# KiCad board Motherboard.kicad_pcb (continued)
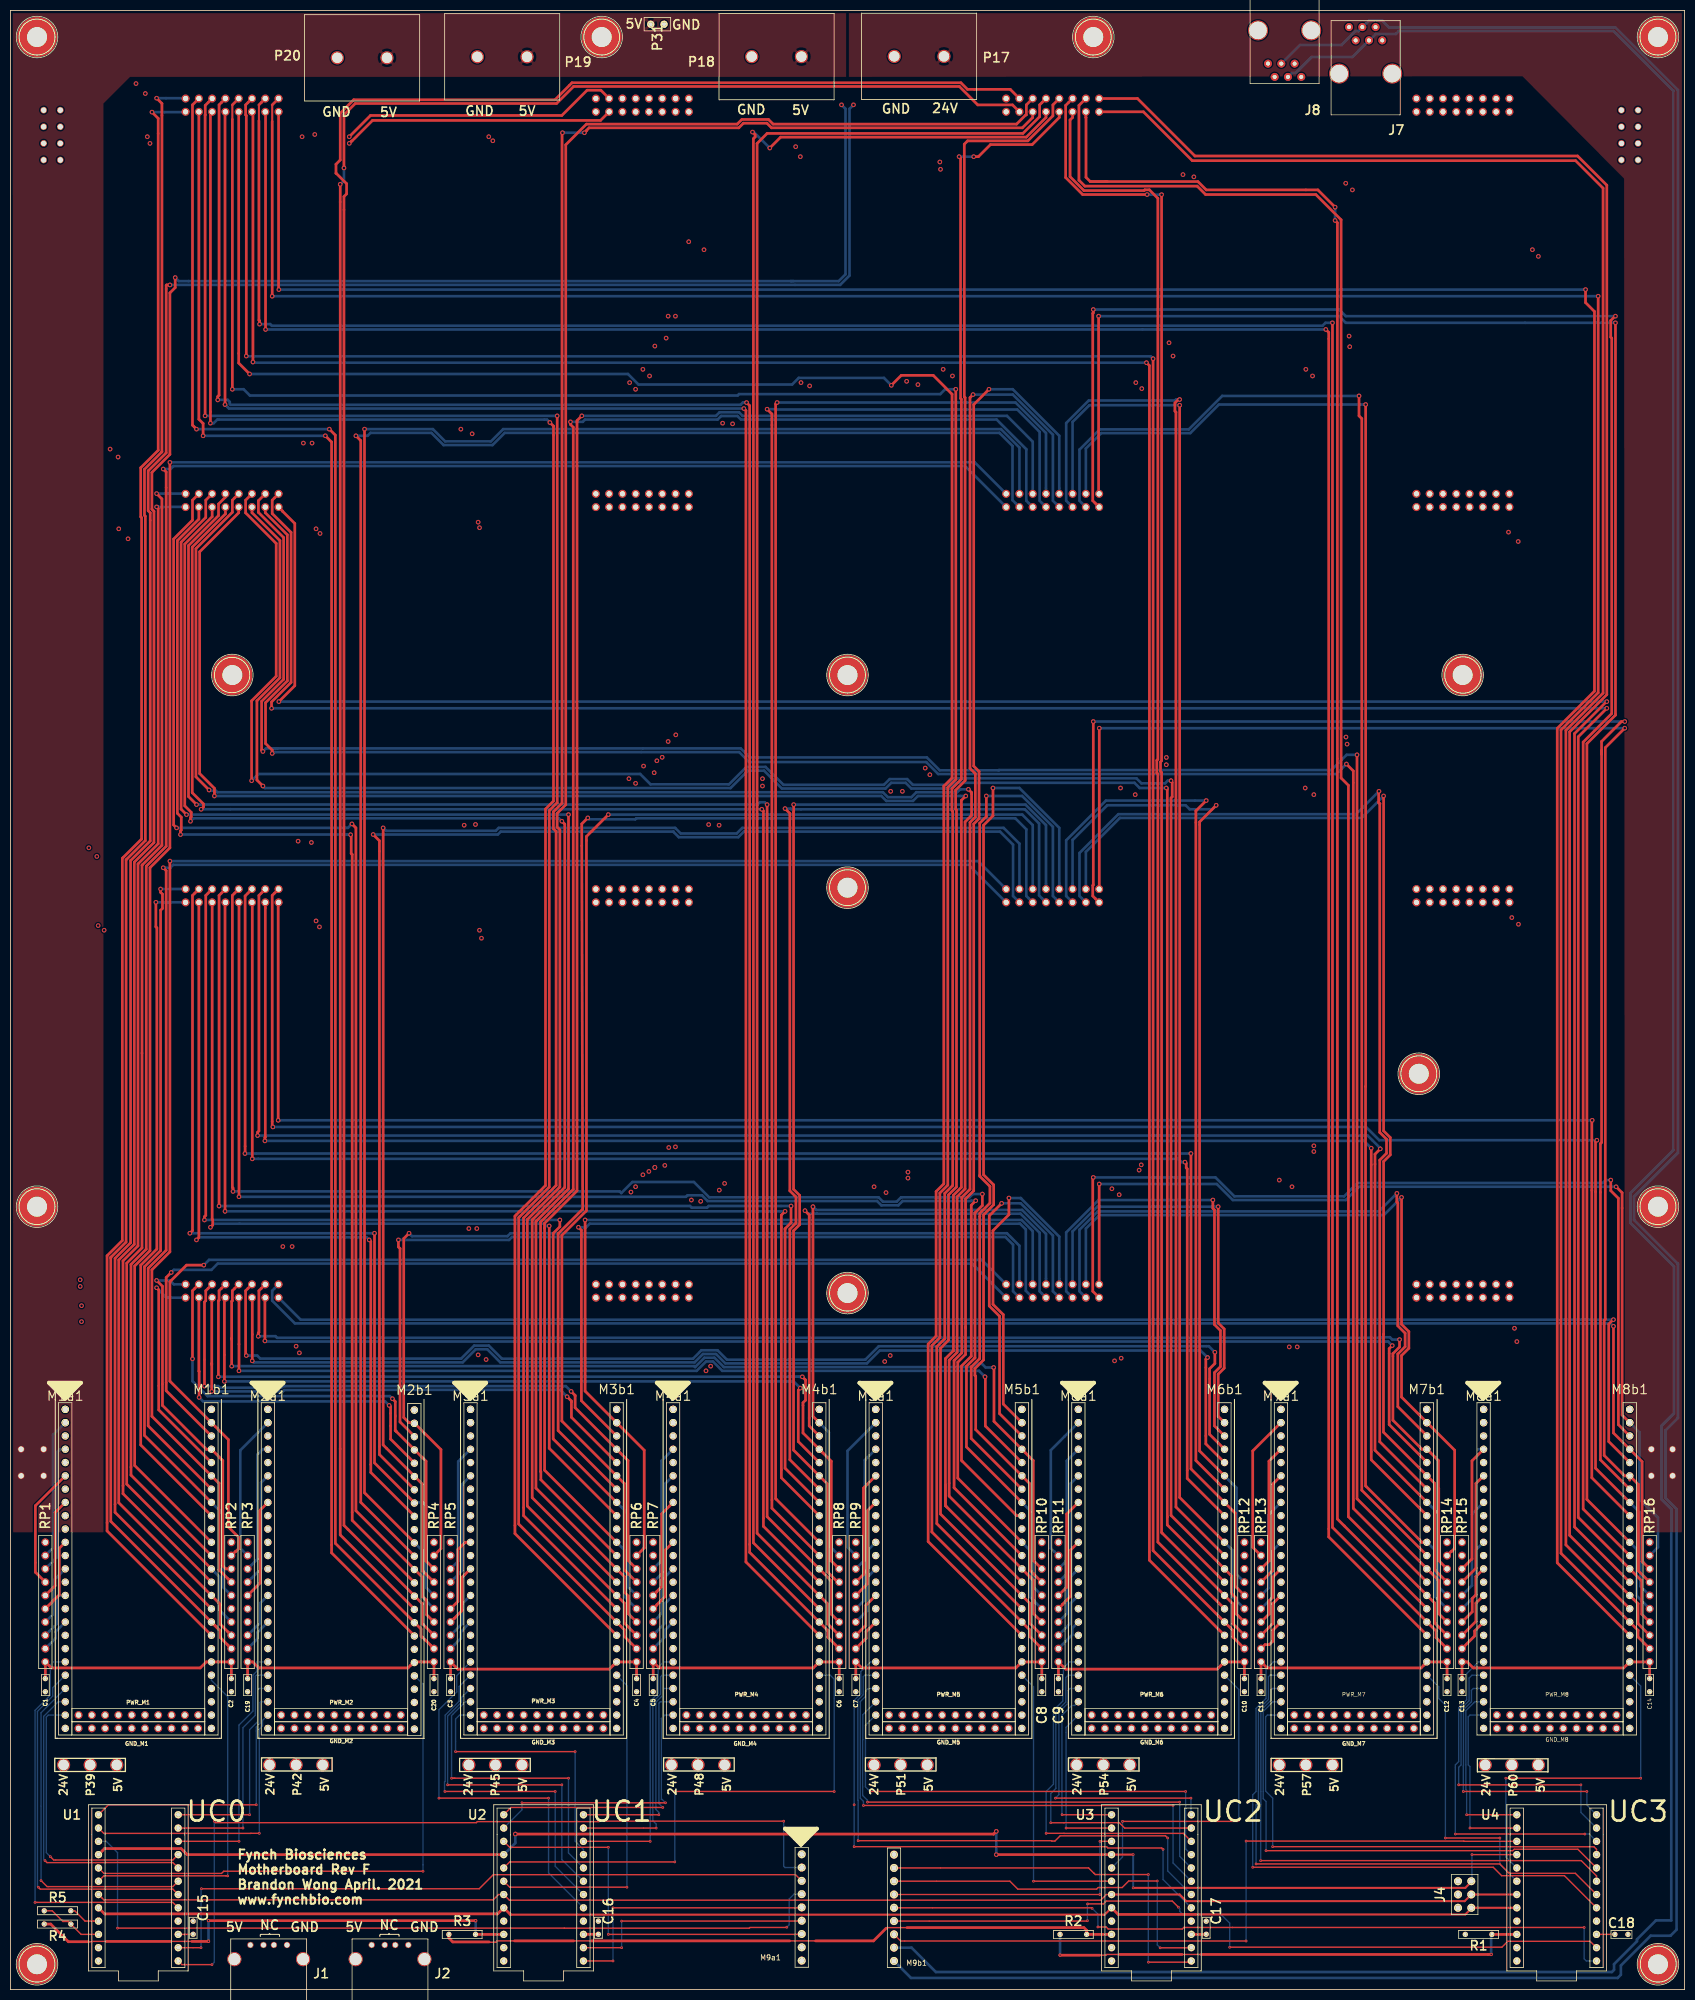
[diagram p0: board, top side]
## Nets (continued)
/PD+15: M6a1.35 P15.5
/PD+16: M6b1.36 P16.5
/PD-01: M6a1.3 P1.6 RP11.9
/PD-02: M6b1.4 P2.6 RP12.9
/PD-03: M6a1.7 P3.6 RP11.8
/PD-04: M6b1.8 P4.6 RP12.8
/PD-05: M6a1.11 P5.6 RP11.7
/PD-06: M6b1.12 P6.6 RP12.7
/PD-07: M6a1.15 P7.6 RP11.6
/PD-08: M6b1.16 P8.6 RP12.6
/PD-09: M6a1.21 P9.6 RP11.5
/PD-10: M6b1.22 P10.6 RP12.5
/PD-11: M6a1.25 P11.6 RP11.4
/PD-12: M6b1.26 P12.6 RP12.4
/PD-13: M6a1.29 P13.6 RP11.3
/PD-14: M6b1.30 P14.6 RP12.3
/PD-15: M6a1.33 P15.6 RP11.2
/PD-16: M6b1.34 P16.6 RP12.2
/power/JP1: P39.1 PWR_M1.1 PWR_M1.2 PWR_M1.3 PWR_M1.4 PWR_M1.5 PWR_M1.6 PWR_M1.7 PWR_M1.8 PWR_M1.9 PWR_M1.10
/power/JP2: P42.1 PWR_M2.1 PWR_M2.2 PWR_M2.3 PWR_M2.4 PWR_M2.5 PWR_M2.6 PWR_M2.7 PWR_M2.8 PWR_M2.9 PWR_M2.10
/power/JP3: P45.1 PWR_M3.1 PWR_M3.2 PWR_M3.3 PWR_M3.4 PWR_M3.5 PWR_M3.6 PWR_M3.7 PWR_M3.8 PWR_M3.9 PWR_M3.10
/power/JP4: P48.1 PWR_M4.1 PWR_M4.2 PWR_M4.3 PWR_M4.4 PWR_M4.5 PWR_M4.6 PWR_M4.7 PWR_M4.8 PWR_M4.9 PWR_M4.10
/power/JP5: P51.1 PWR_M5.1 PWR_M5.2 PWR_M5.3 PWR_M5.4 PWR_M5.5 PWR_M5.6 PWR_M5.7 PWR_M5.8 PWR_M5.9 PWR_M5.10
/power/JP6: P54.1 PWR_M6.1 PWR_M6.2 PWR_M6.3 PWR_M6.4 PWR_M6.5 PWR_M6.6 PWR_M6.7 PWR_M6.8 PWR_M6.9 PWR_M6.10
/power/JP7: P57.1 PWR_M7.1 PWR_M7.2 PWR_M7.3 PWR_M7.4 PWR_M7.5 PWR_M7.6 PWR_M7.7 PWR_M7.8 PWR_M7.9 PWR_M7.10
/power/JP8: P60.1 PWR_M8.1 PWR_M8.2 PWR_M8.3 PWR_M8.4 PWR_M8.5 PWR_M8.6 PWR_M8.7 PWR_M8.8 PWR_M8.9 PWR_M8.10
/SPA+01: M8a1.5 P1.1
/SPA+02: M8b1.6 P2.1
/SPA+03: M8a1.9 P3.1
/SPA+04: M8b1.10 P4.1
/SPA+05: M8a1.13 P5.1
/SPA+06: M8b1.14 P6.1
/SPA+07: M8a1.17 P7.1
/SPA+08: M8b1.18 P8.1
/SPA+09: M8a1.23 P9.1
/SPA+10: M8b1.24 P10.1
/SPA+11: M8a1.27 P11.1
/SPA+12: M8b1.28 P12.1
/SPA+13: M8a1.31 P13.1
/SPA+14: M8b1.32 P14.1
/SPA+15: M8a1.35 P15.1
/SPA+16: M8b1.36 P16.1
/SPA-01: M8a1.3 P1.2 RP15.9
/SPA-02: M8b1.4 P2.2 RP16.9
/SPA-03: M8a1.7 P3.2 RP15.8
/SPA-04: M8b1.8 P4.2 RP16.8
/SPA-05: M8a1.11 P5.2 RP15.7
/SPA-06: M8b1.12 P6.2 RP16.7
/SPA-07: M8a1.15 P7.2 RP15.6
/SPA-08: M8b1.16 P8.2 RP16.6
/SPA-09: M8a1.21 P9.2 RP15.5
/SPA-10: M8b1.22 P10.2 RP16.5
/SPA-11: M8a1.25 P11.2 RP15.4
/SPA-12: M8b1.26 P12.2 RP16.4
/SPA-13: M8a1.29 P13.2 RP15.3
/SPA-14: M8b1.30 P14.2 RP16.3
/SPA-15: M8a1.33 P15.2 RP15.2
/SPA-16: M8b1.34 P16.2 RP16.2
/SPB+01: M7a1.5 P1.3
/SPB+02: M7b1.6 P2.3
/SPB+03: M7a1.9 P3.3
/SPB+04: M7b1.10 P4.3
/SPB+05: M7a1.13 P5.3
/SPB+06: M7b1.14 P6.3
/SPB+07: M7a1.17 P7.3
/SPB+08: M7b1.18 P8.3
/SPB+09: M7a1.23 P9.3
/SPB+10: M7b1.24 P10.3
/SPB+11: M7a1.27 P11.3
/SPB+12: M7b1.28 P12.3
/SPB+13: M7a1.31 P13.3
/SPB+14: M7b1.32 P14.3
/SPB+15: M7a1.35 P15.3
/SPB+16: M7b1.36 P16.3
/SPB-01: M7a1.3 P1.4 RP13.9
/SPB-02: M7b1.4 P2.4 RP14.9
/SPB-03: M7a1.7 P3.4 RP13.8
/SPB-04: M7b1.8 P4.4 RP14.8
/SPB-05: M7a1.11 P5.4 RP13.7
/SPB-06: M7b1.12 P6.4 RP14.7
/SPB-07: M7a1.15 P7.4 RP13.6
/SPB-08: M7b1.16 P8.4 RP14.6
/SPB-09: M7a1.21 P9.4 RP13.5
/SPB-10: M7b1.22 P10.4 RP14.5
/SPB-11: M7a1.25 P11.4 RP13.4
/SPB-12: M7b1.26 P12.4 RP14.4
/SPB-13: M7a1.29 P13.4 RP13.3
/SPB-14: M7b1.30 P14.4 RP14.3
/SPB-15: M7a1.33 P15.4 RP13.2
/SPB-16: M7b1.34 P16.4 RP14.2
/TS+01: M4a1.5 P1.9
/TS+02: M4b1.6 P2.9
/TS+03: M4a1.9 P3.9
/TS+04: M4b1.10 P4.9
/TS+05: M4a1.13 P5.9
/TS+06: M4b1.14 P6.9
/TS+07: M4a1.17 P7.9
/TS+08: M4b1.18 P8.9
/TS+09: M4a1.23 P9.9
/TS+10: M4b1.24 P10.9
/TS+11: M4a1.27 P11.9
/TS+12: M4b1.28 P12.9
/TS+13: M4a1.31 P13.9
/TS+14: M4b1.32 P14.9
/TS+15: M4a1.35 P15.9
/TS+16: M4b1.36 P16.9
/TS-01: M4a1.3 P1.10 RP7.9
/TS-02: M4b1.4 P2.10 RP8.9
/TS-03: M4a1.7 P3.10 RP7.8
/TS-04: M4b1.8 P4.10 RP8.8
/TS-05: M4a1.11 P5.10 RP7.7
/TS-06: M4b1.12 P6.10 RP8.7
/TS-07: M4a1.15 P7.10 RP7.6
/TS-08: M4b1.16 P8.10 RP8.6
/TS-09: M4a1.21 P9.10 RP7.5
/TS-10: M4b1.22 P10.10 RP8.5
/TS-11: M4a1.25 P11.10 RP7.4
/TS-12: M4b1.26 P12.10 RP8.4
/TS-13: M4a1.29 P13.10 RP7.3
/TS-14: M4b1.30 P14.10 RP8.3
/TS-15: M4a1.33 P15.10 RP7.2
/TS-16: M4b1.34 P16.10 RP8.2
/UC0_A0: M2b1.42 U1.16
/UC0_A1: M1b1.42 U1.14
/UC0_A2: J4.3 U1.12 U2.12 U3.12 U4.12
/UC0_A3: J4.1 U1.10 U2.10 U3.10 U4.10
/UC0_D2: M1a1.39 U1.9
/UC0_D3: M1a1.41 U1.11
/UC0_D4: M1a1.43 U1.13
/UC0_D5: M1a1.45 U1.15
/UC0_D6: M1a1.47 U1.17
/UC0_D7: M2a1.39 U1.19
/UC0_D8: M2a1.41 U1.21
/UC0_D9: M2a1.43 U1.23
/UC0_D10: M2a1.45 U1.24
/UC0_D11: M2a1.47 U1.22
/UC0_D12: M9a1.7 U1.20
/UC0_D13: J4.5 U1.18 U2.18 U3.18 U4.18
/UC0_NRST: C15.1 U1.5
/UC0_R: R4.1 R5.2 U1.6
/UC0_RX: M9a1.5 U1.3
/UC0_TX: M9a1.3 U1.1
/UC1_A0: M4b1.42 U2.16
/UC1_A1: M3b1.42 U2.14
/UC1_D2: M3a1.39 U2.9
/UC1_D3: M3a1.41 U2.11
/UC1_D4: M3a1.43 U2.13
/UC1_D5: M3a1.45 U2.15
/UC1_D6: M3a1.47 U2.17
/UC1_D7: M4a1.39 U2.19
/UC1_D8: M4a1.41 U2.21
/UC1_D9: M4a1.43 U2.23
/UC1_D10: M4a1.45 U2.24
/UC1_D11: M4a1.47 U2.22
/UC1_D12: M9a1.13 U2.20
/UC1_NRST: C16.1 U2.5
/UC1_R: R3.1 R4.2 U2.6
/UC1_RX: M9a1.11 U2.3
/UC1_TX: M9a1.9 U2.1
/UC2_A0: M6b1.42 U3.16
/UC2_A1: M5b1.42 U3.14
/UC2_D2: M5a1.39 U3.9
/UC2_D3: M5a1.41 U3.11
/UC2_D4: M5a1.43 U3.13
/UC2_D5: M5a1.45 U3.15
/UC2_D6: M5a1.47 U3.17
/UC2_D7: M6a1.39 U3.19
/UC2_D8: M6a1.41 U3.21
/UC2_D9: M6a1.43 U3.23
/UC2_D10: M6a1.45 U3.24
/UC2_D11: M6a1.47 U3.22
/UC2_D12: M9b1.8 U3.20
/UC2_NRST: C17.1 U3.5
/UC2_R: R2.1 R3.2 U3.6
/UC2_RX: M9b1.6 U3.3
/UC2_TX: M9b1.4 U3.1
/UC3_A0: M8b1.42 U4.16
/UC3_A1: M7b1.42 U4.14
/UC3_D2: M7a1.39 U4.9
/UC3_D3: M7a1.41 U4.11
/UC3_D4: M7a1.43 U4.13
/UC3_D5: M7a1.45 U4.15
/UC3_D6: M7a1.47 U4.17
/UC3_D7: M8a1.39 U4.19
/UC3_D8: M8a1.41 U4.21
/UC3_D9: M8a1.43 U4.23
/UC3_D10: M8a1.45 U4.24
/UC3_D11: M8a1.47 U4.22
/UC3_D12: M9b1.14 U4.20
/UC3_NRST: C18.1 U4.5
/UC3_R: R1.1 R2.2 U4.6
/UC3_RX: M9b1.12 U4.3
/UC3_TX: M9b1.10 U4.1

Pads without a net: J1 2 3 MECH; J2 2 3 MECH; J7 1 2 5 6 MECH; J8 1 2 5 6 MECH; M1b1 44; M2b1 44; M3b1 44; M4b1 44; M5b1 44; M6b1 44; M7b1 44; M8b1 44; MH1 1; MH2 1; MH3 1; MH4 1; MH5 1; MH6 1; MH7 1; MH8 1; MH9 1; MH10 1; MH11 1; MH12 1; MH15 1; MH16 1; RP1 10; RP2 10; RP3 10; RP4 10; RP5 10; RP6 10; RP7 10; RP8 10; RP9 10; RP10 10; RP11 10; RP12 10; RP13 10; RP14 10; RP15 10; RP16 10; U2 8; U3 8; U4 8

## Via types
v1: diameter 0.508, hole 0.203, Top to Bottom, 98 vias
v2: diameter 0.889, hole 0.508, Top to Bottom, 336 vias
v3: diameter 0.508, hole 0.254, Top to Bottom, 2 vias
v4: diameter 0.635, hole 0.305, Top to Bottom, 5 vias

## Routing (per net, layer and track width the routed paths; a pad name or vN(x,y) marks a point on that pad's centre or on a via; arc(x,y) is an arc through that point)
/Vcc0: length 6.1
  Top w0.254: U1.8 14.26,13.08 12.29,15.05 R5.1
/A: length 595.6
  Bottom w0.508: J8.3 244.99,366.27 245.72,366.27 248.77,369.32 256.54,369.32 258.06,370.84 258.06,370.84 J7.3 ; M9b1.16 172.26,8 176.92,3.35 306.15,3.35 306.56,3.76 306.56,4.85 310.95,9.23 310.95,9.58 314.57,13.21 317.5,13.21 317.5,91.82 315.65,93.68 315.65,107.75 318.01,110.11 318.01,138.18 309.68,146.51 309.68,152.2 317.88,160.4 317.88,362.88 306.5,374.27 265.43,374.27 264.87,373.71 261.03,373.71 259.81,372.49
/B: length 600.8
  Bottom w0.508: M9b1.18 172.16,2.22 307.26,2.22 307.87,2.83 307.87,4.59 313.57,10.29 317.36,10.29 318.52,11.44 318.52,91.82 316.36,93.98 316.36,106.81 318.78,109.23 318.78,138.67 310.39,147.07 310.39,151.51 318.77,159.89 318.77,363 306.79,374.98 263.53,374.98 262.25,376.25 259.74,376.25 258.52,375.03 ; J8.4 246.51,371.6 254.48,371.6 257.14,374.27 257.68,374.27 J7.4
/FAN+01: length 291.4
  In1.Cu w0.508: v2(13.34,134.37) 18.97,140 261,140 P1.15
  In2.Cu w0.508: v2(13.34,134.37) 12.69,133.72 12.69,130.85 12.4,130.56 12.4,129.24 11.68,128.52 11.68,126.86 12.4,126.15 12.4,107.71 M1a1.5
/FAN+02: length 198.2
  Top w0.508: M1b1.6 29.77,114.44 29.77,136.07 v2(30.73,137.03)
  Bottom w0.508: P2.15 183.83,138.73 39.62,138.73 38.42,137.53 31.23,137.53 v2(30.73,137.03)
/FAN+03: length 130.7
  In1.Cu w0.508: v2(13.59,127.63) 14.11,127.11 48.96,127.11 55.83,133.99 110.15,133.99 P3.15
  In2.Cu w0.508: v2(13.59,127.63) 14.01,127.22 14.01,125.16 13.82,124.97 13.82,104.05 M1a1.9
/FAN+04: length 44.1
  Top w0.508: v2(27.94,134.11) 28.35,133.71 28.35,110.78 M1b1.10
  Bottom w0.508: v2(27.94,134.11) 29.83,132.22 P4.15
/FAN+05: length 380.1
  In1.Cu w0.508: v2(16.51,216.53) 17.45,217.47 259.07,217.47 P5.15
  In2.Cu w0.508: v2(16.51,216.53) 15.7,215.72 15.7,100.85 M1a1.13
/FAN+06: length 289.8
  Top w0.508: M1b1.14 26.33,107.72 26.33,137.84 29.77,141.28 29.77,213.82 v2(29.21,214.38)
  Bottom w0.508: v2(29.21,214.38) 30.54,214.38 31.1,214.93 183.17,214.93 P6.15
/FAN+07: length 212.7
  In1.Cu w0.508: P7.15 110.08,209.59 58.45,209.59 52.24,203.38 18.85,203.38 v2(17.91,202.44)
  In2.Cu w0.508: M1a1.17 17.35,97.42 17.35,98.96 17.35,201.88 v2(17.91,202.44)
/FAN+08: length 129.9
  Top w0.508: M1b1.18 24.9,104.06 24.9,138.42 27.99,141.51 27.99,202.9 27.8,203.09 v2(27.8,207.77)
  Bottom w0.508: P8.15 33.46,207.77 v2(27.8,207.77)
/FAN+09: length 467
  In1.Cu w0.508: v2(20.57,292.86) 21.39,293.67 258.41,293.67 P9.15
  In2.Cu w0.508: M1a1.23 19.76,92.21 19.76,292.05 v2(20.57,292.86)
/FAN+10: length 381.6
  Top w0.508: M1b1.24 23.04,98.31 23.04,138.57 25.96,141.49 25.96,214.67 29.77,218.48 29.77,290.02 v2(29.21,290.58)
  Bottom w0.508: v2(29.21,290.58) 30.61,290.58 31.17,291.13 182.51,291.13 P10.15
/FAN+11: length 297.8
  In1.Cu w0.508: P11.15 110.1,285.12 57.27,285.12 50.4,278.24 23.48,278.24 v2(22.48,277.24)
  In2.Cu w0.508: M1a1.27 21.41,88.79 21.41,276.17 v2(22.48,277.24)
/FAN+12: length 221
  Top w0.508: M1b1.28 21.51,94.75 21.51,96.29 21.51,139.24 24.38,142.11 24.38,215.11 28.24,218.97 28.24,283.03 v2(27.94,283.34)
  Bottom w0.508: P12.15 33.44,283.34 v2(27.94,283.34)
/FAN+13: length 544.1
  In1.Cu w0.508: v2(25.78,362.33) 26.78,363.33 60.57,363.33 61.01,362.89 129.24,362.89 129.29,362.84 178.31,362.84 180.59,365.12 184.02,365.12 186.55,362.6 209.92,362.6 213.73,358.79 233.68,358.79 234.84,357.63 267.58,357.63 P13.15
  In2.Cu w0.508: M1a1.31 24.71,87.01 24.71,88.54 24.71,361.26 v2(25.78,362.33)
/FAN+14: length 459
  Top w0.508: v2(30.48,325.75) 29.85,325.75 29.77,325.67 29.77,293.66 26.33,290.22 26.33,282.61 26.72,282.22 26.72,219.5 22.96,215.74 22.96,142.7 19.99,139.73 19.99,91.2 M1b1.32
  In1.Cu w0.508: v2(161.16,360.17) 189.01,360.17 P14.15
  Bottom w0.508: v2(30.48,325.75) 30.49,325.77 150,325.77 158.63,325.77 160.4,327.54 160.4,359.41 v2(161.16,360.17)
/FAN+15: length 380.1
  In1.Cu w0.508: P15.15 57.21,358.84 51.74,353.36 27.86,353.36 27.3,352.81 v2(26.67,352.81)
  In2.Cu w0.508: M1a1.35 11.47,67.69 26.14,82.36 26.14,352.27 v2(26.67,352.81)
/FAN+16: length 310.5
  Top w0.508: M1b1.36 18.47,87.64 18.47,89.18 18.47,140.22 21.39,143.14 21.39,216.17 25.07,219.86 25.07,281.26 24.9,281.43 24.9,290.81 28.24,294.15 28.24,357.58 v2(27.05,358.77)
  Bottom w0.508: v2(27.05,358.77) 33.41,358.77 P16.15
/FAN-01: length 316.8
  In1.Cu w0.508: 19.69,140.72 262.83,140.72 P1.16 ; 19.69,140.72 19.05,140.72 ; 19.69,140.72 18.41,140.72 v2(13.33,135.64)
  In2.Cu w0.508: M1a1.3 11.68,109.54 11.68,125.86 10.92,126.62 10.92,128.78 11.68,129.54 11.68,133.99 v2(13.33,135.64)
  Bottom w0.508: RP1.9 8.14,84.4 8.14,105.99 M1a1.3
/FAN-02: length 222
  Top w0.508: v2(36.96,138.43) 33.66,138.43 30.48,135.25 30.48,116.27 M1b1.4 41.66,105.09 41.66,88.39 43.69,86.36 43.69,84.33 43.04,83.68 42.98,83.68 RP2.9
  Bottom w0.508: v2(36.96,138.43) 37.97,139.45 185.66,139.45 P2.16
/FAN-03: length 156.5
  In1.Cu w0.508: v2(13.59,130.68) 16.26,128.02 48.86,128.02 55.6,134.76 P3.16
  In2.Cu w0.508: M1a1.7 13.11,105.88 13.11,126.45 12.4,127.16 12.4,128.23 13.11,128.94 13.11,130.2 v2(13.59,130.68)
  Bottom w0.508: RP1.8 8.85,82.58 8.85,102.61 9.49,103.25 M1a1.7
/FAN-04: length 68.1
  Top w0.508: v2(27.94,135.51) 29.06,134.39 29.06,111.62 37.43,103.25 M1b1.8 40.59,101.08 40.59,80.97 41.17,80.39 RP2.8
  Bottom w0.508: P4.16 31.23,134.76 30.48,135.51 v2(27.94,135.51)
/FAN-05: length 402.4
  Top w0.508: M1a1.11 4.76,92.46 4.76,79.76 RP1.7
  In1.Cu w0.508: P5.16 260.9,218.19 v2(14.99,218.19)
  In2.Cu w0.508: v2(14.99,218.19) 14.99,102.68 M1a1.11
/FAN-06: length 308.6
  Top w0.508: v2(30.48,215.65) 30.48,140.98 27.04,137.54 27.04,109.55 M1b1.12 39.81,96.77 39.88,96.77 39.88,80.2 RP2.7 41.53,78.55
  Bottom w0.508: v2(30.48,215.65) 185,215.65 P6.16
/FAN-07: length 230.2
  Top w0.508: 6.67,75.31 8.53,77.18 8.53,91.15 M1a1.15
  In1.Cu w0.508: P7.16 58.15,210.3 51.94,204.09 17.53,204.09 v2(16.76,203.33)
  In2.Cu w0.508: M1a1.15 16.64,99.25 16.64,203.2 v2(16.76,203.33)
/FAN-08: length 148.2
  Top w0.508: M1b1.16 25.62,105.89 25.62,138.13 28.7,141.22 28.7,206.25 29.06,206.6 29.06,209.33 28.7,209.68 v2(28.7,210.31)
  Bottom w0.508: 42.23,75.31 40.64,76.9 40.64,90.87 M1b1.16 ; v2(28.7,210.31) 33.46,210.31 P8.16
/FAN-09: length 480
  Top w0.508: RP1.5 9.32,75.43 9.32,84.32 M1a1.21
  In1.Cu w0.508: P9.16 260.24,294.39 v2(19.05,294.39)
  In2.Cu w0.508: v2(19.05,294.39) 19.05,113.92 18.29,113.16 18.29,93.28 M1a1.21
/FAN-10: length 391.9
  Top w0.508: M1b1.22 23.75,100.14 23.75,138.27 26.67,141.2 26.67,214.38 30.48,218.19 v2(30.48,291.85)
  In2.Cu w0.508: M1b1.22 40.36,83.53 40.36,74.64 RP2.5
  Bottom w0.508: v2(30.48,291.85) 184.34,291.85 P10.16
/FAN-11: length 308.7
  In1.Cu w0.508: P11.16 56.98,285.84 50.29,279.15 v2(20.7,279.15)
  In2.Cu w0.508: M1a1.25 20.7,90.61 v2(20.7,279.15)
  Bottom w0.508: M1a1.25 8.13,78.04 8.13,71.69 RP1.4
/FAN-12: length 232.7
  Top w0.508: v2(27.94,285.88) 28.96,284.86 28.96,218.67 25.15,214.86 25.15,141.73 22.23,138.81 22.23,96.58 M1b1.26
  Bottom w0.508: M1b1.26 39.93,78.88 39.93,72.53 RP2.4 ; P12.16 33.44,285.88 v2(27.94,285.88)
/FAN-13: length 554.8
  In1.Cu w0.508: v2(24,364.24) 60.67,364.24 61.31,363.6 178.06,363.6 180.3,365.84 184.32,365.84 186.43,363.73 210.44,363.73 214.64,359.52 233.95,359.52 235.13,358.34 265.75,358.34 P13.16
  In2.Cu w0.508: v2(24,364.24) 24,88.84 M1a1.29
  Bottom w0.508: 6.67,67.69 8.89,69.91 8.89,74.93 9.27,75.31 M1a1.29
/FAN-14: length 468.3
  Top w0.508: 41.53,68.39 42.23,67.69 40.13,69.79 40.13,73.6 M1b1.30 20.7,93.03 20.7,139.44 23.67,142.41 23.67,215.44 27.43,219.2 27.43,282.51 27.04,282.9 27.04,289.93 30.48,293.37 30.48,324.23 31.5,325.25 v2(31.5,327.15)
  In1.Cu w0.508: P14.16 160.08,361.38 v2(158.88,360.17)
  Bottom w0.508: 149.71,326.48 149.22,326.48 ; 149.22,326.48 32.17,326.48 v2(31.5,327.15) ; 149.22,326.48 158.33,326.48 159.64,327.79 159.64,359.41 v2(158.88,360.17)
/FAN-15: length 385.8
  In1.Cu w0.508: P15.16 57.34,361.38 50.04,354.08 v2(26.16,354.08)
  In2.Cu w0.508: v2(26.16,354.08) 25.43,353.34 25.43,85.18 M1a1.33
  Bottom w0.508: M1a1.33 8.64,68.39 8.64,67.12 RP1.2
/FAN-16: length 318.8
  Top w0.508: M1b1.34 19.18,89.47 19.18,139.92 ; M1b1.34 40.13,68.52 40.13,67.25 RP2.2 41.53,65.85 ; M1b1.34 39.57,69.08 ; 19.18,139.92 22.1,142.84 22.1,215.88 25.78,219.56 25.78,281.56 25.62,281.72 25.62,290.52 28.96,293.86 28.96,360.43 v2(27.94,361.44) ; 19.18,139.92 19.28,140.02
  Bottom w0.508: v2(27.94,361.44) 33.41,361.44 P16.16
/FS+01: length 260.8
  In1.Cu w0.508: v2(53.85,141.99) 54.48,141.99 54.86,141.61 263.84,141.61 270.1,135.34 270.1,133.44 P1.13
  In2.Cu w0.508: v2(53.85,141.99) 53.29,141.43 53.29,109.87 M2a1.5
/FS+02: length 167.7
  Top w0.508: 77.15,105.79 74.47,108.47 74.47,141.61 74.17,141.91 v2(74.17,143.26)
  Bottom w0.508: P2.13 191.67,133.44 191.67,142.35 190.21,143.81 95.88,143.81 95.33,143.26 v2(74.17,143.26)
/FS+03: length 87.7
  In1.Cu w0.508: v2(55.23,121.67) 55.92,122.35 105.66,122.35 114.45,131.14 P3.13
  In2.Cu w0.508: v2(55.23,121.67) 54.94,121.37 54.94,106.44 M2a1.9
/FS+04: length 68.9
  Top w0.508: 77.15,100.71 72.67,105.19 72.67,111.35 v2(72.39,111.63) ; P4.13 36.02,118.17 36.07,118.12 v2(36.07,113.16)
  Bottom w0.508: v2(36.07,113.16) 36.83,112.39 71.63,112.39 v2(72.39,111.63)
/FS+05: length 346.8
  In1.Cu w0.508: v2(57.53,219.2) 57.66,219.2 57.96,218.9 72.09,218.9 72.26,219.08 261.81,219.08 270.1,210.78 270.1,208.98 P5.13
  In2.Cu w0.508: M2a1.13 57.1,103.52 57.1,218.77 v2(57.53,219.2)
/FS+06: length 264.4
  Top w0.508: v2(69.34,220.73) 70.54,219.53 70.54,102.25 77.15,95.63
  Bottom w0.508: P6.13 191.67,208.98 191.67,218.8 189.18,221.28 140.21,221.28 139.14,220.22 127.76,220.22 126.75,221.23 126.75,221.28 93.73,221.28 93.17,220.73 v2(69.34,220.73)
/FS+07: length 174.6
  In1.Cu w0.508: v2(59.07,203.07) 59.7,203.07 60.13,203.5 111.28,203.5 114.45,206.68 P7.13
  In2.Cu w0.508: M2a1.17 58.75,100.09 58.75,169.01 58.69,169.08 58.69,202.7 59.05,203.07 v2(59.07,203.07)
/FS+08: length 154.4
  Top w0.508: P8.13 36.02,143.71 v2(35.56,143.26) ; v2(68.58,143.26) 68.88,142.95 68.88,98.82 77.15,90.55
  Bottom w0.508: v2(35.56,143.26) 36.07,143.76 68.07,143.76 v2(68.58,143.26)
/FS+09: length 438.9
  In1.Cu w0.508: v2(57.66,295.53) 58.29,295.53 58.67,295.15 261.28,295.15 270.1,286.32 270.1,284.52 P9.13
  In2.Cu w0.508: M2a1.23 60.68,94.4 60.68,219.22 57.1,222.8 57.1,294.97 v2(57.66,295.53)
/FS+10: length 359.6
  Top w0.508: v2(66.04,296.93) 66.97,296 66.97,93.12 77.15,82.93
  Bottom w0.508: P10.13 191.57,284.62 191.57,294.98 189.06,297.48 94.49,297.48 92.15,295.15 82.8,295.15 80.47,297.48 68.83,297.48 68.28,296.93 v2(66.04,296.93)
/FS+11: length 265.4
  In1.Cu w0.508: v2(59.18,278.26) 62.29,281.37 113.6,281.37 114.45,282.22 P11.13
  In2.Cu w0.508: M2a1.27 62.31,90.94 62.31,220.07 58.8,223.57 58.8,277.88 v2(59.18,278.26)
/FS+12: length 245
  Top w0.508: P12.13 36.02,281 31.9,276.89 31.9,224.79 32.65,224.04 32.65,221.56 32.51,221.42 v2(32.51,220.73) ; v2(65.02,220.69) 65.14,220.57 65.14,217.11 65.33,216.92 65.33,89.67 77.15,77.85
  Bottom w0.508: v2(32.51,220.73) 64.36,220.73 64.4,220.69 v2(65.02,220.69)
/FS+13: length 506
  In1.Cu w0.508: P13.13 271.32,357.76 269.59,356.03 59.7,356.03 v2(58.18,354.51)
  In2.Cu w0.508: M2a1.31 63.96,87.52 63.96,218.31 63.96,220.52 60.96,223.52 60.87,223.52 60.79,223.59 60.79,294.79 57.99,297.6 57.99,354.32 v2(58.18,354.51)
/FS+14: length 425
  Top w0.508: P14.13 191.57,360.16 184.92,360.16 181.41,363.68 107.65,363.68 104.39,360.43 65.91,360.43 63.75,358.27 v2(63.75,348.11) ; 77.15,72.77 63.04,86.88 v2(63.04,344.98)
  Bottom w0.508: v2(63.04,344.98) 63.75,345.69 v2(63.75,348.11)
/FS+15: length 350.9
  Top w0.508: P15.13 112.81,357.2 69.23,357.2 65.28,353.25 65.21,353.25 v2(64.77,352.81)
  In2.Cu w0.508: v2(64.77,352.81) 63.37,352.81 59.89,349.33 59.89,348.87 ; 59.89,348.87 59.89,302.17 63.96,298.11 63.96,229.47 67.13,226.29 67.13,85.61 M2a1.35 ; 59.89,348.87 59.89,349.2
/FS+16: length 321.9
  Top w0.508: 77.15,67.69 61.39,83.45 61.39,295.73 v2(60.2,296.93) ; v2(36.83,296.93) 36.83,299.28 36.02,300.09 P16.13
  Bottom w0.508: v2(60.2,296.93) v2(36.83,296.93)
/FS-01: length 287.4
  In1.Cu w0.508: v2(52.07,141.99) 53.39,143.31 54.16,143.31 55.11,142.35 68.85,142.35 68.88,142.32 264.84,142.32 271.32,135.84 P1.14
  In2.Cu w0.508: M2a1.3 52.58,111.7 52.58,141.48 v2(52.07,141.99)
  Bottom w0.508: M2a1.3 43.94,103.06 43.94,84.33 RP3.9
/FS-02: length 191.6
  Top w0.508: RP4.9 82.3,84.26 82.3,103.19 77.15,108.33 76.16,108.33 75.18,109.31 75.18,143.51 v2(76.2,144.53)
  Bottom w0.508: v2(76.2,144.53) 76.76,143.97 95.03,143.97 95.59,144.53 190.5,144.53 192.89,142.14 P2.14
/FS-03: length 113.6
  In1.Cu w0.508: 103.5,123.06 104.39,123.06 ; 103.5,123.06 104.56,123.06 113.23,131.74 113.23,133.54 P3.14 ; 103.5,123.06 55.37,123.06 55.24,122.94 v2(54.61,122.94)
  In2.Cu w0.508: M2a1.7 49.91,103.95 49.91,104.14 54.23,108.46 54.23,122.56 v2(54.61,122.94)
  Bottom w0.508: RP3.8 47.21,82.26 47.21,102.23 48.22,103.25 M2a1.7
/FS-04: length 94.8
  Top w0.508: 73.79,106.62 79.45,100.95 79.45,81.9 RP4.8 ; 73.79,106.62 73.57,106.83 73.57,112.36 v2(73.03,112.9) ; 73.79,106.62 73.53,106.87 ; v2(34.8,120.52) 34.8,133.54 P4.14
  Bottom w0.508: v2(73.03,112.9) 72.53,113.4 37.67,113.4 34.8,116.27 v2(34.8,120.52)
/FS-05: length 368.9
  In1.Cu w0.508: P5.14 271.32,211.38 262.91,219.79 71.97,219.79 71.79,219.61 58.46,219.61 57.8,220.27 55.8,220.27 v2(54.99,219.46)
  In2.Cu w0.508: M2a1.11 50.2,98.17 56.39,104.36 56.39,218.06 v2(54.99,219.46)
  Bottom w0.508: RP3.7 47.92,80.43 47.92,96.88 M2a1.11
/FS-06: length 281.1
  Top w0.508: RP4.7 78.74,80.07 78.74,96.58 71.25,104.08 v2(71.25,222)
  Bottom w0.508: v2(71.25,222) 71.81,221.44 92.79,221.44 93.34,222 127.08,222 128.14,220.93 138.85,220.93 139.91,222 189.86,222 192.89,218.97 P6.14
/FS-07: length 194
  Top w0.508: 45.34,75.31 47.75,77.72 47.75,91.63 M2a1.15
  In1.Cu w0.508: P7.14 113.23,209.08 113.23,207.28 110.17,204.22 v2(58.42,204.22)
  In2.Cu w0.508: M2a1.15 58.04,101.92 58.04,168.72 57.98,168.78 57.98,203.77 v2(58.42,204.22)
/FS-08: length 176.7
  Top w0.508: P8.14 34.8,209.08 34.8,145.03 v2(34.29,144.53) ; 77.15,93.09 69.6,100.65 v2(69.6,144.53)
  Bottom w0.508: v2(69.6,144.53) v2(34.29,144.53) ; 80.96,75.31 79.5,76.77 79.5,92.46 78.87,93.09 77.15,93.09
/FS-09: length 451.8
  In1.Cu w0.508: P9.14 271.32,286.92 262.38,295.86 58.96,295.86 58.35,296.47 56.93,296.47 v2(55.99,295.53)
  In2.Cu w0.508: RP3.5 46.79,74.22 46.79,83.05 M2a1.21 50.2,85.47 59.97,95.24 59.97,218.92 56.39,222.5 56.39,295.14 v2(55.99,295.53)
/FS-10: length 368.4
  Top w0.508: v2(67.69,298.2) 67.68,298.18 67.68,94.95 77.15,85.47
  Bottom w0.508: 77.15,85.47 78.74,83.88 78.74,74.99 RP4.5 ; P10.14 192.89,294.67 189.36,298.2 94.19,298.2 91.86,295.86 83.1,295.86 80.76,298.2 v2(67.69,298.2)
/FS-11: length 277.2
  In1.Cu w0.508: P11.14 113.23,284.62 113.23,282.78 112.53,282.08 61.35,282.08 v2(58.42,279.15)
  In2.Cu w0.508: v2(58.42,279.15) 58.04,278.76 58.04,223.33 61.6,219.77 61.6,92.77 M2a1.25 47.5,78.68 47.5,72.39 RP3.4
/FS-12: length 259.1
  Top w0.508: v2(31.75,222) 31.19,222.55 31.19,277.19 34.8,280.8 34.8,284.62 P12.14 ; 80.96,70.42 RP4.4 79.57,71.63 79.57,74.36 78.74,75.18 78.74,78.8 66.04,91.5 66.04,222 v2(65.28,222.76)
  Bottom w0.508: v2(31.75,222) 64.52,222 v2(65.28,222.76)
/FS-13: length 517.1
  In1.Cu w0.508: P13.14 270.1,360.16 270.1,358.35 268.49,356.74 57.53,356.74 55.75,354.97 v2(55.75,354.08)
  In2.Cu w0.508: M2a1.29 63.25,89.34 63.25,220.14 60.08,223.3 60.08,294.5 57.28,297.31 57.28,352.55 v2(55.75,354.08)
  Bottom w0.508: M2a1.29 47.75,73.85 47.75,70.1 45.34,67.69
/FS-14: length 433.9
  Top w0.508: P14.14 191.13,363.13 182.96,363.13 181.7,364.39 107.35,364.39 104.1,361.14 65.62,361.14 63.04,358.56 63.04,349.63 62.23,348.82 62.23,347.09 62.27,347.09 64.26,345.1 64.26,343.15 63.75,342.65 63.75,88.71 78.74,73.72 78.74,69.91 80.96,67.69 80.26,68.39
/FS-15: length 357.7
  Top w0.508: P15.14 112.86,362.97 110.24,362.97 105.41,358.14 68.83,358.14 v2(64.77,354.08)
  In2.Cu w0.508: v2(64.77,354.08) 63.64,354.08 59.18,349.62 59.18,349.38 59.18,301.88 63.25,297.81 63.25,229.17 66.42,226 66.42,87.44 M2a1.33
  Bottom w0.508: M2a1.33 47.24,68.26 47.24,67.06 RP3.2
/FS-16: length 331.8
  Top w0.508: P16.14 34.8,360.16 34.8,298.96 v2(35.56,298.2) ; 80.26,65.85 RP4.2 78.8,67.31 78.74,67.31 78.49,67.56 78.49,68.9 62.1,85.28 62.1,297.05 v2(60.96,298.2)
  Bottom w0.508: v2(60.96,298.2) v2(35.56,298.2)
/HTR+01: length 233.4
  In1.Cu w0.508: P1.11 272.64,133.44 272.64,135.52 264.27,143.89 90.69,143.89 v2(89.15,145.43)
  In2.Cu w0.508: M3a1.5 89.81,107.66 89.81,119.04 88.21,120.64 88.21,124.17 89.81,125.77 89.81,144.77 v2(89.15,145.43)
/HTR+02: length 142.8
  Top w0.508: M3b1.6 109.14,112.53 109.14,145.11 v2(108.59,145.67)
  Bottom w0.508: 193,146.35 110.74,146.35 110.06,145.67 v2(108.59,145.67) ; 193,146.35 194.11,145.25 194.11,133.54 P2.11 ; 193,146.35 193,146.34
/HTR+03: length 53
  In1.Cu w0.508: P3.11 116.99,131.14 106.42,120.57 91.62,120.57 91.44,120.4 v2(90.93,120.4)
  In2.Cu w0.508: M3a1.9 91.58,104.34 91.58,119.75 v2(90.93,120.4)
/HTR+04: length 103.3
  Top w0.508: v2(106.43,113.28) 107.24,112.47 107.24,109.36 M3b1.10 ; 38.48,119.63 38.48,132.14 P4.11 ; 38.48,119.63 38.48,119.38 ; 38.48,119.63 v2(38.48,114.3)
  Bottom w0.508: v2(38.48,114.3) 52.07,114.3 52.32,114.55 63.63,114.55 63.68,114.6 105.11,114.6 v2(106.43,113.28)
/HTR+05: length 324.2
  In1.Cu w0.508: P5.11 272.64,208.98 272.64,211.06 262.98,220.73 90.82,220.73 v2(88.9,222.64)
  In2.Cu w0.508: M3a1.13 93.68,101.36 93.68,143.3 88.34,148.63 88.34,222.08 v2(88.9,222.64)
/HTR+06: length 234.7
  Top w0.508: M3b1.14 104.7,106.82 104.7,144.44 109.4,149.14 109.22,218.57 109.22,222.76 v2(110.36,223.9)
  Bottom w0.508: P6.11 194.21,208.98 194.21,221.72 192.1,223.82 119.63,223.82 119.44,223.63 110.63,223.63 v2(110.36,223.9)
/HTR+07: length 146.1
  In1.Cu w0.508: v2(90.04,200.91) 90.54,201.42 111.73,201.42 116.99,206.68 P7.11
  In2.Cu w0.508: v2(90.04,200.91) 90.04,200.29 89.95,200.2 89.95,196.38 89.99,196.34 89.99,148.99 95.33,143.66 95.33,97.93 M3a1.17
/HTR+08: length 188.3
  Top w0.508: v2(38.23,145.67) 38.67,146.11 38.67,147.08 38.56,147.19 P8.11 ; v2(103,145.92) 103,103.44 M3b1.18
  Bottom w0.508: v2(103,145.92) 102.37,145.92 101.94,146.35 38.91,146.35 v2(38.23,145.67)
/HTR+09: length 415
  In1.Cu w0.508: v2(88.27,297.31) 88.89,297.31 89.02,297.43 261.81,297.43 272.64,286.6 272.64,284.52 P9.11
  In2.Cu w0.508: M3a1.23 96.98,91.96 96.98,144.02 91.8,149.2 91.8,222.14 87.58,226.35 87.58,296.62 v2(88.27,297.31)
/HTR+10: length 327.3
  Top w0.508: M3b1.24 101.4,97.42 101.4,98.96 101.35,99.01 101.35,146.67 107.59,152.92 107.59,298.55 107.06,299.09 v2(107.06,299.59)
  Bottom w0.508: v2(107.06,299.59) 109.41,299.59 109.84,300.02 135.18,300.02 135.86,300.71 138.97,300.71 139.66,300.02 188.53,300.02 194.21,294.35 194.21,284.52 P10.11
/HTR+11: length 239.6
  In1.Cu w0.508: P11.11 116.99,282.22 114.48,279.7 90.09,279.7 89.75,279.36 v2(89.67,279.36)
  In2.Cu w0.508: v2(89.67,279.36) 89.23,278.91 89.23,226.72 93.42,222.52 93.42,149.59 98.63,144.38 98.63,88.53 M3a1.27
/HTR+12: length 289.1
  Top w0.508: v2(34.42,223.27) 34.42,223.96 34.56,224.1 34.56,224.97 33.32,226.2 33.32,276.24 38.56,281.47 P12.11 ; v2(105.41,223.27) 105.97,222.71 105.97,153.31 99.75,147.09 99.75,93.99 M3b1.28
  Bottom w0.508: v2(105.41,223.27) 104.85,223.82 34.98,223.82 v2(34.42,223.27)
/HTR+13: length 474.4
  In1.Cu w0.508: v2(92.21,353.3) 93.05,353.3 93.13,353.22 269.32,353.22 273.86,357.76 P13.11
  In2.Cu w0.508: M3a1.31 100.28,85.1 100.28,144.74 95.07,149.95 95.07,220.34 95.07,222.88 91.29,226.67 91.29,352.38 v2(92.21,353.3)
/HTR+14: length 385.9
  Top w0.508: v2(105.54,354.84) 105.45,354.75 105.45,226.72 103.8,225.07 103.8,221.84 104.32,221.32 104.32,153.67 98.09,147.45 98.09,90.56 M3b1.32 ; v2(109.73,354.84) 110.18,355.28 110.18,355.34 110.62,355.78 139.24,355.78 140.13,356.67 144.61,356.67 145.5,355.78 193.44,355.78 195.43,357.76 P14.11
  Bottom w0.508: v2(109.73,354.84) 109.73,354.84 v2(105.54,354.84)
/HTR+15: length 319.1
  In2.Cu w0.508: P15.11 116.99,357.76 110.77,351.54 96.34,351.54 92.91,348.11 92.91,227.06 96.77,223.19 96.77,150.26 101.93,145.1 101.93,81.67 M3a1.35
/HTR+16: length 368.2
  Top w0.508: M3b1.36 96.44,87.13 96.44,147.81 102.29,153.65 102.29,225.59 103.81,227.12 103.81,298.78 v2(103.12,299.47) ; v2(38.23,299.34) 38.23,358.51 P16.11
  Bottom w0.508: v2(38.23,299.34) 38.86,299.34 39.54,300.02 102.57,300.02 v2(103.12,299.47)
/HTR-01: length 258.5
  In1.Cu w0.508: P1.12 273.86,135.84 265.1,144.6 91.31,144.6 89.59,146.33 88.53,146.33 v2(87.63,145.43)
  In2.Cu w0.508: RP5.9 85.65,84.44 85.65,106.03 M3a1.3 89.1,109.49 89.1,118.75 87.5,120.35 87.5,124.46 89.1,126.06 89.1,143.95 v2(87.63,145.43)
/HTR-02: length 166.1
  Top w0.508: v2(109.85,147.07) 109.85,114.36 M3b1.4 121.16,103.06 121.16,84.39 RP6.9
  Bottom w0.508: v2(109.85,147.07) 193.29,147.07 195.43,144.93 P2.12
/HTR-03: length 78.5
  In1.Cu w0.508: P3.12 115.77,133.54 115.77,131.46 105.79,121.48 90.23,121.48 90.04,121.29 v2(89.41,121.29)
  In2.Cu w0.508: M3a1.7 90.68,105.98 90.68,119.18 89.41,120.45 v2(89.41,121.29)
  Bottom w0.508: RP5.8 85.6,81.85 85.6,100.9 M3a1.7
/HTR-04: length 129.9
  Top w0.508: RP6.8 118.06,82.03 118.06,101.08 M3b1.8 107.95,111.19 107.95,113.54 v2(107.19,114.3) ; P4.12 37.34,133.54 37.34,131.63 37.08,131.38 v2(37.08,115.32)
  Bottom w0.508: v2(37.08,115.32) 39.7,115.32 40.01,115.01 51.78,115.01 52.08,115.32 106.17,115.32 v2(107.19,114.3)
/HTR-05: length 345.6
  In1.Cu w0.508: P5.12 273.86,211.38 263.8,221.44 91.44,221.44 89.08,223.8 88.04,223.8 v2(86.74,222.5)
  In2.Cu w0.508: 92.96,125.98 92.96,143 87.63,148.34 87.63,221.62 v2(86.74,222.5) ; 92.96,125.98 92.96,102.2 88.94,98.17 M3a1.11 ; 92.96,125.98 92.96,125.7
  Bottom w0.508: M3a1.11 86.72,96.94 86.72,96.88 86.31,96.47 86.31,80.02 RP5.7
/HTR-06: length 250.5
  Top w0.508: RP6.7 117.35,80.2 117.35,96.71 M3b1.12 105.41,108.65 105.41,144.15 110.11,148.84 110.11,220.34 v2(114.3,224.54)
  Bottom w0.508: P6.12 195.43,222.53 193.42,224.54 v2(114.3,224.54)
/HTR-07: length 167.4
  In1.Cu w0.508: v2(89.66,202.44) 111.51,202.44 115.77,206.71 115.77,209.08 P7.12
  In2.Cu w0.508: 94.62,143.36 94.62,98.77 88.94,93.09 M3a1.15 86.36,91.5 86.36,77.53 84.14,75.31 ; 94.62,143.36 89.15,148.82 89.15,196.72 89.05,196.82 89.05,201.83 v2(89.66,202.44) 89.28,202.06 ; 94.62,143.36 94.39,143.59
/HTR-08: length 210.7
  Top w0.508: M3b1.16 103.76,105.22 103.76,144.51 105.03,145.78 v2(105.03,147.07) ; P8.12 37.34,209.08 37.34,147.95 37.08,147.69 v2(37.08,147.07)
  Bottom w0.508: v2(105.03,147.07) v2(37.08,147.07) ; M3b1.16 118.06,90.92 118.06,76.95 119.7,75.31
/HTR-09: length 429.2
  Top w0.508: M3a1.21 86.96,85.47 85.53,84.05 85.53,74.17 RP5.5
  In1.Cu w0.508: P9.12 273.86,286.92 262.63,298.15 88.76,298.15 88.27,298.64 86.55,298.64 v2(86.11,298.2)
  In2.Cu w0.508: v2(86.11,298.2) 86.87,297.43 86.87,226.06 91.08,221.84 91.08,196.11 90.93,195.96 90.93,149.06 96.27,143.72 96.27,93.79 M3a1.21
/HTR-10: length 337
  Top w0.508: M3b1.22 102.11,99.25 102.11,145.48 102.1,145.49 102.1,146.42 108.31,152.63 108.31,299.82 v2(109.22,300.74)
  Bottom w0.508: M3b1.22 117.35,84.01 117.35,75.12 RP6.5 ; v2(109.22,300.74) 134.87,300.74 135.56,301.42 139.27,301.42 139.95,300.74 190.5,300.74 195.43,295.81 P10.12
/HTR-11: length 251.8
  Top w0.508: 84.84,70.93 84.9,70.93 ; 84.84,70.93 RP5.4 ; 84.84,70.93 86.36,72.45 86.36,78.8 M3a1.25
  In1.Cu w0.508: v2(89.41,280.42) 113.65,280.42 115.77,282.54 115.77,284.62 P11.12
  In2.Cu w0.508: v2(89.41,280.42) 88.52,279.53 88.52,226.42 92.71,222.23 92.71,149.29 97.92,144.08 97.92,89.37 88.94,80.39 M3a1.25
/HTR-12: length 302.1
  Top w0.508: RP6.4 118.11,71.82 118.11,75.18 117.35,75.95 117.35,78.93 M3b1.26 100.46,95.82 100.46,146.79 106.68,153.01 v2(106.68,224.54) ; v2(33.66,224.54) 32.61,225.58 32.61,276.59 37.34,281.32 37.34,284.62 P12.12
  Bottom w0.508: v2(106.68,224.54) v2(33.66,224.54)
/HTR-13: length 484
  In1.Cu w0.508: P13.12 272.54,360.06 272.54,357.97 268.5,353.93 93.42,353.93 92.83,354.52 91.88,354.52 v2(91.44,354.08)
  In2.Cu w0.508: v2(91.44,354.08) 90.57,353.21 90.57,226.38 94.36,222.59 94.36,149.65 99.57,144.44 99.57,86.93 M3a1.29
  Bottom w0.508: M3a1.29 86.36,73.72 86.36,69.91 84.14,67.69
/HTR-14: length 391.8
  Top w0.508: 119.7,67.69 117.35,70.04 117.35,73.85 M3b1.30 98.81,92.39 98.81,147.15 105.03,153.38 105.03,221.62 104.51,222.14 104.51,224.78 106.16,226.43 106.16,352.54 110.11,356.49 138.94,356.49 139.83,357.38 144.91,357.38 145.8,356.49 192.34,356.49 194.11,358.25 194.21,358.25 194.21,360.16 P14.12
/HTR-15: length 326.5
  In2.Cu w0.508: M3a1.33 101.22,83.5 101.22,144.81 96.02,150 96.02,222.94 92.2,226.76 92.2,350.14 94.36,352.3 110,352.3 115.67,357.97 115.67,360.06 P15.12
  Bottom w0.508: RP5.2 86.11,67.12 86.11,68.33 86.79,69.01 86.79,69.08 M3a1.33
/HTR-16: length 376.5
  Top w0.508: P16.12 37.24,360.06 37.24,358.25 37.21,358.23 v2(37.21,300.74) ; v2(104.52,300.74) 104.52,226.82 103,225.3 103,153.35 97.16,147.51 97.16,88.96 M3b1.34 117.35,68.77 117.35,67.5 RP6.2
  Bottom w0.508: v2(104.52,300.74) v2(37.21,300.74)
